# KiCad board Zynq_SoM.kicad_pcb (continued)
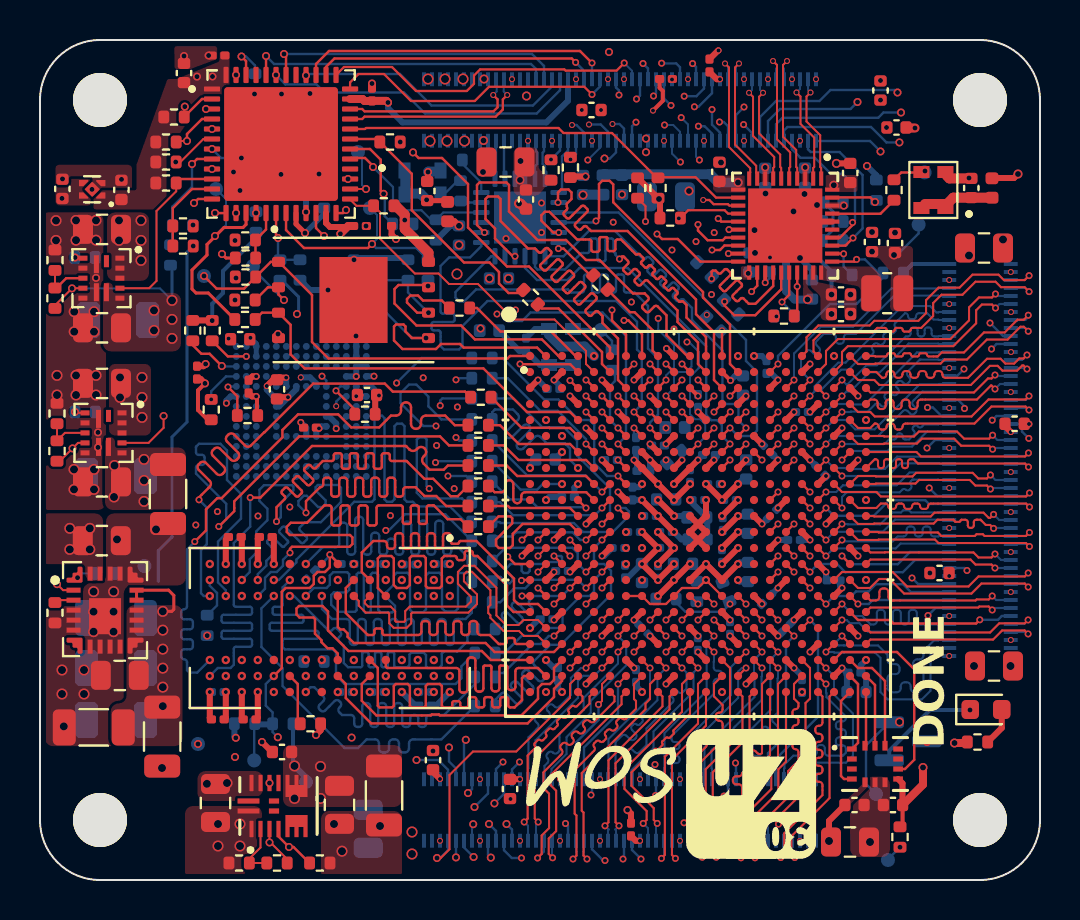
[diagram p0: board, top side]
## Nets (continued)
IO_L12_MRCC_N_35: J3.16 U2.C19
IO_L12_MRCC_P_13: J2.49 U2.Y9
IO_L12_MRCC_P_33: J2.90 U2.Y18
IO_L12_MRCC_P_34: J3.46 U2.L18
IO_L12_MRCC_P_35: J3.14 U2.D18
IO_L13_MRCC_N_13: J2.27 U2.Y5
IO_L13_MRCC_N_34: J3.64 U2.M20
IO_L13_MRCC_N_35: J3.11 U2.B20
IO_L13_MRCC_P_13: J2.29 U2.Y6
IO_L13_MRCC_P_34: J3.66 U2.M19
IO_L13_MRCC_P_35: J3.9 U2.B19
IO_L14_N_SRCC_13: J2.39 U2.AA6
IO_L14_P_SRCC_13: J2.41 U2.AA7
IO_L14_SRCC_N_33: J2.83 U2.Y16
IO_L14_SRCC_N_34: J3.70 U2.N20
IO_L14_SRCC_N_35: J3.20 U2.C20
IO_L14_SRCC_P_33: J2.81 U2.W16
IO_L14_SRCC_P_34: J3.72 U2.N19
IO_L14_SRCC_P_35: J3.22 U2.D20
IO_L15_DQS_N_34: J3.69 U2.M22
IO_L15_DQS_N_35: J3.15 U2.A22
IO_L15_DQS_P_34: J3.71 U2.M21
IO_L15_DQS_P_35: J3.17 U2.A21
IO_L15_N_33: J2.54 U2.U16
IO_L15_P_13: J2.9 U2.AB2
IO_L15_P_33: J2.77 U2.V15
IO_L16_N_13: J2.28 U2.AB4
IO_L16_N_33: J2.87 U2.V17
IO_L16_N_34: J3.77 U2.P22
IO_L16_N_35: J3.29 U2.C22
IO_L16_P_13: J2.30 U2.AB5
IO_L16_P_34: J3.75 U2.N22
IO_L16_P_35: J3.31 U2.D22
IO_L17_N_13: J2.32 U2.AB6
IO_L17_N_33: J2.84 U2.AB17
IO_L17_N_34: J3.81 U2.R21
IO_L17_N_35: J3.35 U2.D21
IO_L17_P_13: J2.34 U2.AB7
IO_L17_P_33: J2.82 U2.AA17
IO_L17_P_34: J3.79 U2.R20
IO_L17_P_35: J3.37 U2.E21
IO_L18_N_13: J2.8 U2.AA4
IO_L18_N_33: J2.80 U2.AB16
IO_L18_N_34: J3.74 U2.P21
IO_L18_N_35: J3.25 U2.B22
IO_L18_P_13: J2.11 U2.Y4
IO_L18_P_33: J2.78 U2.AA16
IO_L18_P_35: J3.27 U2.B21
IO_L19_N_VREF_35: J3.52 U2.H20
IO_L19_P_13: J2.12 U2.R6
IO_L19_P_33: J2.22 U2.V14
IO_L19_P_35: J3.50 U2.H19
IO_L19_VREF_N_33: J2.52 U2.U15
IO_L20_N_33: J2.44 U2.W13
IO_L20_N_34: J3.76 U2.P18
IO_L20_N_35: J3.32 U2.F19
IO_L20_P_33: J2.59 U2.V13
IO_L20_P_34: J3.30 U2.P17
IO_L20_P_35: J3.34 U2.G19
IO_L21_DQS_N_33: J2.73 U2.Y15
IO_L21_DQS_N_35: J3.26 U2.E20
IO_L21_DQS_P_33: J2.71 U2.W15
IO_L21_DQS_P_35: J3.24 U2.E19
IO_L21_P_13: J2.13 U2.V5
IO_L22_N_33: J2.69 U2.AA14
IO_L22_N_34: J3.84 U2.T19
IO_L22_N_35: J3.44 U2.G21
IO_L22_P_13: J2.19 U2.U6
IO_L22_P_33: J2.67 U2.Y14
IO_L22_P_35: J3.42 U2.G20
IO_L23_N_13: J2.31 U2.W7
IO_L23_N_33: J2.68 U2.AA13
IO_L23_N_35: J3.45 U2.F22
IO_L23_P_13: J2.33 U2.V7
IO_L23_P_33: J2.70 U2.Y13
IO_L23_P_34: J3.88 U2.R18
IO_L23_P_35: J3.47 U2.F21
IO_L24_N_13: J2.7 U2.W5
IO_L24_N_33: J2.74 U2.AB15
IO_L24_N_34: J3.21 U2.R16
IO_L24_N_35: J3.49 U2.G22
IO_L24_P_13: J2.10 U2.W6
IO_L24_P_33: J2.72 U2.AB14
IO_L24_P_34: J3.82 U2.P16
IO_L24_P_35: J3.51 U2.H22
QSPI_CLK: R13.1 R95.1 TP11.1 U11.6
QSPI_CLK_T/BM4: R95.2 U2.A4
QSPI_D0/BM3: R76.1 TP7.1 U2.A2 U11.5
QSPI_D1/BM1: R77.1 TP8.1 U2.F6 U11.2
QSPI_D2/BM2: R1.2 U2.E4 U11.3
QSPI_D3/BM0: R6.2 U2.A3 U11.7
QSPI_~{CS}: R44.2 TP6.1 U2.A1 U11.1
SDIO_CLK: J1.67 U2.E14
SDIO_CMD: J1.69 U2.C8
SDIO_D0: J1.65 U2.D8
SDIO_D1: J1.61 U2.B11
SDIO_D2: J1.73 U2.E13
SDIO_D3: J1.71 U2.B9
SENSE_1V0: R78.2 R79.1 U9.11
SENSE_1V8: R80.2 R81.1 U9.18
SENSE_1V35: R84.2 R85.1 U9.17
SENSE_3V3: R82.2 R83.1 U9.8
STM32_BOOT0: J1.57 R4.1 U9.46
STM32_DAC1: J1.49 U9.12
STM32_DAC2: J1.55 U9.13
STM32_GPIO1: J1.33 U9.40
STM32_GPIO2: J1.35 U9.43
STM32_GPIO3: J1.43 U9.39
STM32_GPIO4: J1.41 U9.38
STM32_GPIO5: J1.53 U9.37
STM32_GPIO6: J1.45 U9.36
STM32_GPIO7: J1.59 U9.22
STM32_GPIO8: J1.54 U9.24
STM32_NRST: C13.1 J1.47 R3.2 U9.7
STM32_SCL: R86.2 R96.1 U9.31
STM32_SDA: R87.2 U2.E6 U9.30
STM32_USB_CC1: J1.29 U9.44
STM32_USB_CC2: J1.31 U9.42
STM32_USB_D_N: J1.21 U9.33
STM32_USB_D_P: J1.19 U9.34
USB_D+: J1.32 U5.6
USB_D-: J1.30 U5.5
USB_ID: J1.20 U5.1
USB_PHY_RST: R5.2 U5.22 U9.29
USB_ULPI_CLKOUT: R22.2 U2.A9
USB_ULPI_DATA0: U2.C7 U5.16
USB_ULPI_DATA1: U2.G13 U5.15
USB_ULPI_DATA2: U2.B12 U5.14
USB_ULPI_DATA3: U2.F14 U5.13
USB_ULPI_DATA4: U2.A12 U5.11
USB_ULPI_DATA5: U2.B14 U5.10
USB_ULPI_DATA6: U2.F13 U5.9
USB_ULPI_DATA7: U2.C13 U5.8
USB_ULPI_DIR: U2.E8 U5.19
USB_ULPI_NXT: U2.F9 U5.18
USB_ULPI_STP: U2.A11 U5.20
USB_VBUS: J1.22 U5.2
ZYNQ_BMODE_0: R6.1 TP10.1 U9.19
ZYNQ_BMODE_2: R1.1 TP9.1 U9.15
ZYNQ_PL_DONE: Q3.2 TP3.1 U2.T12
ZYNQ_PL_INITB: R99.2 TP2.1 U2.T14
ZYNQ_PL_PROGB: R98.2 TP1.1 U2.T11 U9.14
ZYNQ_PS_MIO0: J1.50 U2.G6
ZYNQ_PS_MIO7/VM0: J1.40 R75.2 U2.D5
ZYNQ_PS_MIO8\VM1: J1.36 R74.1 U2.E5
ZYNQ_PS_MIO9: J1.52 U2.C4
ZYNQ_PS_MIO10: J1.42 U2.G7
ZYNQ_PS_MIO11: J1.48 U2.B4
ZYNQ_PS_MIO12: J1.46 U2.C5
ZYNQ_PS_MIO13: U2.A6 U9.27
ZYNQ_PS_POR: R100.2 U2.B5 U9.25
ZYNQ_PS_SRST: R94.2 TP5.1 U2.C9 U9.26
ZYNQ_TCK: J1.64 U2.G11
ZYNQ_TDI: J1.70 U2.H13
ZYNQ_TDO: J1.68 U2.G14
ZYNQ_TMS: J1.66 U2.G12
Net-(U3-RSET): R16.1 U3.39
Net-(U4-FB): R23.1 R26.2 U4.5
Net-(U6-FB): R33.2 R34.1 U6.5
Net-(U9-VDDA): C32.1 C137.1 L5.2 U9.21
Net-(U9-VREF+): C139.1 U9.20
Net-(U10-FB): R37.2 R38.1 U10.2

Pads without a net: U1 J1 J9 L1 L9 M7; U2 A16 A17 AB1 B1 B2 B15 C2 C3 C15 D1 D2 D3 D15 D16 E1 E3 E15 F1 F2 G1 G2 G10 H2 H3 H15 H18 J1 J2 J15 J16 J17 K1 K3 K15 L1 L2 L3 L16 L17 M15 N15 P15 P20 R7 R15 R19 T4 T6 T16 T17 T18 U4 U5 U17 U19 V4 V19 W17 W18; U3 35; U4 1; U6 1; U7 A1 A2 A7 A8 A9 A10 A11 A12 A13 A14 B1 B3 B4 B5 B6 B7 B8 B9 B10 B11 B12 B13 B14 C3 C5 C7 C8 C9 C10 C11 C12 C13 C14 D1 D2 D3 D4 D12 D13 D14 E1 E2 E3 E5 E8 E9 E10 E12 E13 E14 F1 F2 F3 F10 F12 F13 F14 G1 G2 G3 G10 G12 G13 G14 H1 H2 H3 H5 H12 H13 H14 J1 J2 J3 J12 J13 J14 K1 K2 K3 K6 K7 K10 K12 K13 K14 L1 L2 L3 L12 L13 L14 M1 M2 M3 M7 M8 M9 M10 M11 M12 M13 M14 N7 N8 N9 N10 N11 N12 N13 N14 P1 P2 P7 P8 P9 P10 P11 P12 P13 P14; U8 7; U9 28 41 45; U10 5 11 15 17 18; U14 2 3 10 11

## Via types
v1: diameter 0.35, hole 0.2, L1 (Sig) to L8 (Sig), 587 vias
v2: diameter 0.3, hole 0.2, L1 (Sig) to L8 (Sig), 85 vias
v3: diameter 0.55, hole 0.4, L1 (Sig) to L8 (Sig), 92 vias
v4: diameter 0.4, hole 0.25, L1 (Sig) to L8 (Sig), 138 vias
v5: diameter 0.45, hole 0.3, L1 (Sig) to L8 (Sig), 36 vias
v6: diameter 0.4, hole 0.3, L1 (Sig) to L8 (Sig), 3 vias

## Routing (per net, layer and track width the routed paths; a pad name or vN(x,y) marks a point on that pad's centre or on a via; arc(x,y) is an arc through that point)
1V0_EN: length 27
  L6 (Sig+Pwr) w0.1: v4(1.88,15.12) 2,15.24 2,18.57 2.21,18.78 2.21,22.64 3.4,23.83 3.4,26.02 3.9,26.52 3.9,30.95 4.5,31.55 4.5,33.99 6.17,35.66 6.17,36.67 6.95,37.45 8.5,37.45 v4(8.6,37.55)
  L8 (Sig) w0.1: v4(1.88,15.12) 2.09,15.33 R27.1
1V0_PG: length 31.5
  L1 (Sig) w0.1: R28.2 7.21,38.64 v4(7.24,38.67) ; v4(0.85,14.79) 1.15,14.49 U8.2
  L1 (Sig) w0.12: R28.2 7.21,38.16 8.1,39.05 U9.2
  L6 (Sig+Pwr) w0.1: v4(0.85,14.79) 0.86,14.8 0.86,23.17 1.3,23.61 1.3,26.37 0.9,26.77 0.9,31.08 1.3,31.48 1.3,33.41 1.85,33.95 1.85,35.45 3.09,36.69 3.54,36.69 5.7,38.85 7.06,38.85 v4(7.24,38.67)
1V8_EN: length 21.7
  L1 (Sig) w0.1: v4(1.75,23.41) 1.8,23.36 U4.3
  L6 (Sig+Pwr) w0.1: v4(9.8,40.25) 9.8,39.4 8.23,37.83 6.46,37.83 4.88,36.25 4.88,35.24 3.35,33.71 3.35,27.08 2.3,26.03 2.3,23.95 v4(1.75,23.41)
  L8 (Sig) w0.12: R30.1 v4(1.75,23.41)
1V8_PG: length 22
  L1 (Sig) w0.1: U4.11 5.42,21.86 6.18,22.61 v4(6.18,23.2) ; v4(7.35,36.95) 6.86,36.95 R29.2
  L1 (Sig) w0.12: U9.4 8.1,38.05 7.35,37.3 v4(7.35,36.95)
  L6 (Sig+Pwr) w0.1: 6.2,23.15 6.99,23.94 6.99,26.24 7.15,26.4 7.15,33.94 7.76,34.55 8.42,34.55 9.15,35.28 9.15,35.8 8.9,36.05 8.25,36.05 v4(7.35,36.95)
1V35_EN: length 44.9
  L1 (Sig) w0.12: U10.4 11.93,2.17 v4(12.45,1.65) 12.67,1.65 13.47,0.85 R35.1
  L6 (Sig+Pwr) w0.12: v4(8.6,35.55) 8.15,35.1 7.67,35.1 6.25,33.68 6.25,30.11 5.05,28.91 5.05,27.05 5.68,26.42 5.68,22.53 4.52,21.37 4.52,8.11 7.11,5.51 11.8,5.51 12.05,5.26 12.05,2.05 v4(12.45,1.65)
1V35_PG: length 41.9
  L1 (Sig) w0.1: 7.02,35.9 8.17,37.05 U9.6
  L6 (Sig+Pwr) w0.1: v4(11.48,4.85) 10.88,4.25 6.16,4.25 3.2,7.21 3.2,21.18 4.55,22.53 4.55,29.44 5.7,30.59 5.7,34.35 6.8,35.45 6.8,35.8
  vias: v4(6.79,35.9)
3V3_EN: length 11.8
  L1 (Sig) w0.12: v4(1.75,31.12) 1.78,31.09 U6.3
  L6 (Sig+Pwr) w0.1: v4(1.75,31.12) 1.75,31.13 2.3,31.68 2.3,33.55 3.5,34.75 3.5,35.81 5.89,38.2 7.95,38.2 v4(8.3,38.55)
3V3_PG: length 8.8
  L1 (Sig) w0.1: 4,29.59 5.46,29.59 5.83,29.95 5.83,33.45 6.81,34.44 6.81,34.58 ; 6.81,35.03 7.02,35.03
  L1 (Sig) w0.12: U9.10 7.01,35.05
+0V675_REF: length 47.3
  L1 (Sig) w0.12: U2.H7 v1(28.9,21) ; v1(14.49,16.27) 14.49,16.26 14.89,15.86 U1.H1 ; v1(14.49,16.27) 14.49,15.64 14.25,15.4 13.88,15.4 13.69,15.21 13.69,14.8 13.49,14.6 12.28,14.6 12.09,14.41 12.09,10.6 v1(11.69,10.2) ; v1(14.49,16.27) 14.51,16.25
  L6 (Sig+Pwr) w0.12: v1(28.9,21) 29.26,20.64 29.26,18.13 28.9,17.78 28.9,16.2 v1(29.3,15.8) 28.46,14.96 27.15,14.96 26.9,14.71 26.9,9.55 25.32,7.97 15.47,7.97 14.25,6.75 12.26,6.75 11.89,7.12 v4(11.89,7.14)
  L8 (Sig) w0.12: R89.1 10.71,7.79 TP16.1 ; v4(11.89,7.14) 11.63,7.4 11.63,8.38 11.29,8.72 11.29,9.8 v1(11.69,10.2) ; C124.1 14.96,15.8 v1(14.49,16.27) 14.49,16.22 C113.2 ; v1(28.9,21) C126.1
  L8 (Sig) w0.3: R89.1 10.78,7.78 11.36,7.78
+1V0: length 31.6
  L1 (Sig) w0.15: U8.16 U8.17 6.43,14.49 6.69,14.23 6.69,13.53 6.59,13.43 v3(6.14,13.43)
  L1 (Sig) w0.3: v1(33.3,19.8) v1(34.1,19) v1(34.9,19.8) ; v1(31.7,19.8) U2.H11 v1(32.9,21) ; v1(34.1,17.4) v1(34.9,18.2) ; v1(34.1,15.8) v1(34.9,16.6) ; U2.H9 U2.G8
  L8 (Sig) w0.15: 5.91,14.94 5.91,16.46 6.6,17.15 6.6,22.15 7.35,22.9 7.35,31.39 v4(7.66,31.7)
  L8 (Sig) w0.3: C66.1 35.3,18.2 v1(34.9,18.2) ; C45.1 34.98,14.92 v1(34.9,15) ; v1(30.1,19.8) 29.94,19.64 C47.1 ; v1(32.9,21) 32.9,21.02 C61.1 ; C52.1 35.15,20.05 v1(34.9,19.8) ; C46.1 30.5,20.46 v1(30.5,21)
  vias: v1(30.1,18.2) v1(30.1,16.6) v1(30.1,15) v3(6.14,12.49) v3(6.14,11.54) v3(6.14,10.59) v3(6.14,9.64) v3(6.14,8.69)
+1V8: length 36.2
  L1 (Sig) w0.1: R26.1 0.98,20.94 v4(1.62,21.58) 1.9,21.86 U4.6
  L1 (Sig) w0.2: C108.1 30.98,39.61 31.14,39.45 31.14,38.96 v2(30.65,38.47) ; v1(10.81,24.18) 10.85,24.14 10.85,23.26 R42.1 ; v1(34.53,24.97) U2.B13 ; R41.1 8.39,23.01 7.9,23.5 7.9,24.48 v4(8.25,24.83)
  L1 (Sig) w0.3: v1(16.95,24.22) 16.76,24.03 R39.1 ; U2.E12 v1(32.9,23.4) ; v1(32.5,15.8) v1(31.7,15) v1(30.9,14.2) ; R14.1 31,33.99 R90.1 R94.1 ; v1(30.9,15.8) v1(31.7,16.6) v1(30.9,17.4) ; C33.1 10.6,24.18 v1(10.81,24.18) ; C107.1 33.91,41.47 v2(33.93,41.47) ; U2.A10 v1(31.32,26.58) ; v5(48.9,35.3) 48.7,35.1 47.62,35.1 L6.2 ; C112.1 8.03,25.05 v4(8.25,24.83) ; L8.2 20.72,32.94 v5(20.95,32.71) ; R40.1 R43.1 ; v1(30.9,19) v1(31.7,18.2) ; U2.D9 v1(30.5,24.2) ; U2.G9 v1(30.5,21.8)
  L8 (Sig) w0.15: v4(12.85,28.3) 12.93,28.38 12.93,29.16 12.09,29.99 R80.1
  L8 (Sig) w0.2: v4(8.61,27.97) 8.61,28.81 9.15,29.35 9.15,30.45 10.8,32.1 R97.1
  L8 (Sig) w0.3: v1(31.7,18.2) 32.29,18.2 L9.2 ; U7.M4 v1(15.81,25.18) 15.81,25.18 U7.N3 U7.P3 ; U7.P5 16.56,24.68 16.95,24.29 v1(16.95,24.22) ; v1(34.53,24.97) 34.75,25.2 C97.1 ; R5.1 20.52,32.71 v5(20.95,32.71)
  vias: v1(31.3,22.6) v2(33.34,28.26) v3(3.72,20.72) v3(3.7,19.15) v3(5.2,21.03) v3(5.2,19.98) v3(5.2,18.93) v3(20.85,30.3) v4(30.3,37.07) v4(30.3,36.39) v5(23.43,30.08) v5(30.95,34.05)
+1V35: length 48.2
  L1 (Sig) w0.1: U10.3 v4(11.48,1.88) 11.52,1.88 12.36,1.04 R37.1
  L1 (Sig) w0.15: v4(9.1,31.3) 9.3,31.1 R84.1
  L1 (Sig) w0.3: C122.1 9.29,17.02 v1(9.29,15.8) ; v1(9.29,9.4) 9.29,8.11 C121.1 ; U2.F5 v1(27.3,22.6) ; C114.1 10.89,17.07 v1(10.89,15.8) ; U2.R2 v1(25.7,15.4) ; v1(25.7,17) U2.M3 ; v1(28.1,16.2) U2.N6 ; C120.1 10.89,8.12 v1(10.89,9.4) ; U2.K7 v1(28.9,19.4)
  L4 (Sig+Pwr) w0.15: 9.26,15.8 v1(9.29,15.8)
  L6 (Sig+Pwr) w0.15: v4(9.1,31.3) 9.1,29.5 7.65,28.05 7.65,22.78 5.9,21.03 5.9,18.53 5.25,17.88 5.25,8.53 7.78,6 9.6,6 v4(9.75,6.15)
  L8 (Sig) w0.2: R88.1 12.65,5.78 v3(12.73,5.7)
  L8 (Sig) w0.3: v1(24.5,20.6) 24.5,20.73 C95.1 ; v1(18.09,9.4) 18.76,8.73 C118.1 ; R47.1 28.2,16.2 v1(28.1,16.2) ; C99.1 24.94,13.04 v1(24.5,12.6) ; v3(12.73,5.7) 13.3,5.13 TP15.1 ; C101.1 26.72,19.62 v1(26.9,19.8)
  vias: v1(13.29,15) v1(13.29,10.2) v1(14.89,15) v1(14.89,9.4) v1(15.69,11) v1(16.49,15.8) v1(17.29,9.4) v1(18.09,15) v1(18.89,15.8) v1(18.89,9.4) v1(19.69,15) v1(20.49,15.8) v1(20.49,10.2) v1(25.3,23) v3(12.73,4.08) v3(14.03,5.68) v3(14.03,4.08)
+3V3: length 92.4
  L1 (Sig) w0.1: R33.1 0.75,28.73 v4(1.6,29.58) 1.61,29.59 U6.6
  L1 (Sig) w0.11: U2.T7 U2.T8 30.5,13.8 31.3,13.8 U2.T10 32.1,14.6 32.9,14.6 v1(33.3,15) U2.T13
  L1 (Sig) w0.2: C21.1 43.13,2.79 R99.1
  L1 (Sig) w0.3: v2(12.31,25.12) 11.96,25.12 C34.1 11.65,25.01 v2(11.34,24.7) ; v1(28.1,25) U2.C6 ; 24.01,34.99 v5(24,35) ; v2(27.09,38.5) C71.1 ; U14.8 43.12,4.83 43.12,3.75 C21.1 ; U2.B3 v1(25.7,25)
  L1 (Sig) w0.4: R91.1 46.31,6.85 v5(45.72,6.85) ; C21.1 44.15,4.77 v5(44.15,5.62)
  L1 (Sig) w0.5: R100.1 17.79,33.71 18.24,33.26 v4(18.24,33) 18.24,32.55 19.42,31.36 U11.8
  L3 (Pwr) w0.5: v4(18.01,36.9) 17.67,36.56 17.67,36.1
  L4 (Sig+Pwr) w0.2: 36.2,22.4 36.13,22.4 35.7,21.97 35.7,20.6
  L4 (Sig+Pwr) w0.4: 36.21,14.4 36.76,13.85 38.45,13.85 39.2,13.1 39.2,12.3 42.3,9.2 44.1,9.2 45.72,7.58 v5(45.72,6.85) 45.72,6.78 44.57,5.62 v5(44.15,5.62)
  L4 (Sig+Pwr) w0.5: v1(33.3,15) 33.3,14.8 33.7,14.4 36.21,14.4 35.5,15.11 35.5,20.38 35.62,20.5 ; 36.2,22.4 36.2,25.15 36.25,25.2 36.25,25.97 37.62,27.35 38.65,27.35 39.57,28.28 v6(39.57,28.3) 39.57,30.58 38.05,32.1 37.47,32.1 35.57,34 35.57,35.6 34.57,36.6 34.57,38.59 33.45,39.72 33.45,40.98 32.98,41.45 28.5,41.45 v4(28.45,41.4) 28.5,41.4
  L8 (Sig) w0.1: v3(6.6,28.98) 6,29.58 v4(1.6,29.58)
  L8 (Sig) w0.15: v3(6.6,28.98) 6.6,30.67 R82.1
  L8 (Sig) w0.2: v6(39.57,29.28) 39.57,30.23 R18.1 39.59,30.41 38.57,31.42 38.57,32.61 38.9,32.92 R19.1
  L8 (Sig) w0.3: v1(33.3,15) 32.9,15 R98.1 ; U7.J10 13.81,22.44 v1(13.95,22.58) 14.05,22.68 U7.K9 ; U7.F5 12.31,25.12 v2(12.31,25.12) ; v4(22.03,27.58) 21.99,27.53 21.99,27.47 ; U7.E6 11.68,24.18 11.34,24.52 v2(11.34,24.7) ; v1(25.7,25) 26,24.7 C76.1 ; R87.1 18.44,32.8 v4(18.24,33)
  L8 (Sig) w0.5: L3.1 27.16,34.27 v5(27.15,34.25)
  vias: v3(5.7,28.48) v3(5.7,27.48) v3(6.6,28.03) v3(6.6,27.08) v4(9.8,30.1) v5(24.03,35.95) v5(24.32,39.2)
+3V3_SC: length 15.9
  L1 (Sig) w0.3: C37.1 15.63,32.65 14.5,32.65 14.3,32.85 U9.23
  L1 (Sig) w0.35: 16.59,38.95 C35.1
  L1 (Sig) w0.4: C37.1 15.41,32.7 v4(15.02,32.31) ; U9.35 16.12,39.05 16.22,38.95 16.59,38.95 ; C35.1 17.32,38.95 v4(17.4,38.88)
  L8 (Sig) w0.2: J1.37 26.4,39.56
  L8 (Sig) w0.3: v4(17.4,38.88) 17.4,38.6 18.12,37.88 25.32,37.88 26.4,38.96 26.4,39.56
  vias: v4(7.85,40.17) v4(8.62,40.17)
+VCCO_13: length 7.2
  L1 (Sig) w0.12: v1(27.3,13.8) U2.T5 ; U2.W4 v1(26.5,11.4)
  L1 (Sig) w0.3: U2.U8 v1(29.7,13) ; U2.Y7 v1(29.7,10.6) ; U2.V11 v1(32.9,12.2) ; U2.AA10 v1(31.3,9.8)
  L4 (Sig+Pwr) w0.4: v1(29.7,13) 28.9,13.8 v1(27.3,13.8)
  L8 (Sig) w0.3: C132.1 25.9,9.59 26.09,9.4 v1(26.1,9.4) ; v1(29.7,13) C130.1
  vias: v2(23.53,4.05) v3(18.6,2.4) v3(18.6,1.3) v4(19.65,6.45)
+VCCO_33: length 7.7
  L1 (Sig) w0.3: U2.U18 v1(37.7,13) ; U2.W14 v1(34.5,12.2) ; U2.AA20 v1(40.1,10.6) ; U2.V21 v1(40.9,12.2) ; v3(39.45,1.95) 39.45,2.96 C88.1 ; U2.Y17 v1(37.7,10.6) ; v4(29.38,3.5) 29.55,3.32 C100.1
  L8 (Sig) w0.3: v1(37.7,10.6) 38.1,10.2 C91.1 ; v1(40.1,10.6) 40.34,10.36 C87.1
  vias: v1(34.1,9.4)
+VCCO_34: length 3.8
  L1 (Sig) w0.3: U2.L20 v1(39.3,17.8) ; U2.K17 v1(36.9,18.6) ; U2.P19 v1(39.3,15.4) ; U2.N16 v1(36.9,17) ; U2.T15 v1(36.1,13.8)
  L8 (Sig) w0.3: v1(36.9,18.6) 36.9,18.59 ; v1(36.9,17) C83.1 ; v1(39.3,15.4) 39.3,15.04 C82.1
  vias: v1(41.3,15) v1(49.45,22.8) v3(48.53,10.7) v4(44.5,15.35)
+VCCO_35: length 6.5
  L1 (Sig) w0.3: U2.H21 v1(40.9,21) ; U2.C16 v1(36.9,25) ; U2.D19 v1(38.5,23.4) ; U2.F15 v1(36.1,21.8) ; U2.G18 v1(38.5,21)
  L8 (Sig) w0.2: R15.1 43.62,30.8 J3.2
  L8 (Sig) w0.3: C69.1 36.57,25.33 v1(36.9,25) ; v1(38.5,21) 38.82,20.68 C72.1
  vias: v1(39.7,26.2) v1(41.3,23) v3(46.45,31.22) v4(42.03,39) v4(42.32,37.62)
/Ethernet PHY/1V0_ETH: length 2.1
  L8 (Sig) w0.12: v5(42.7,31.25) 42.85,31.25 43.93,32.33 TP13.1
  vias: v4(35.41,30.33) v4(36.26,35.63) v4(38.26,35.63) v4(40.19,33.72) v5(41.6,31.42)
/Ethernet PHY/1V8A_ETH: length 5.4
  L8 (Sig) w0.2: 37.66,32.49 C10.1
  L8 (Sig) w0.4: C10.1 37.68,31.89 37.3,31.51 37.3,29.45 37.72,29.03 v5(38.38,29.03)
  L8 (Sig) w0.5: L2.1 37.66,32.49
/Ethernet PHY/3V3A_ETH: length 7
  L6 (Sig+Pwr) w0.3: v5(34.9,34.88) 34.91,34.88
  L8 (Sig) w0.5: v5(34.9,34.88) 33.91,34.88 33.5,35.29 28.21,35.29 L3.2
  vias: v5(39.69,34.74)
/Zynq Power/VCCADC: length 2.3
  L8 (Sig) w0.3: v1(32.5,19) 32.5,18.96 33.36,18.1 C103.1
/Zynq Power/VCCPLL: length 0.6
  L1 (Sig) w0.3: U2.H10 v1(32.1,21)
GND: length 100.1
  L1 (Sig) w0.2: R75.1 26.53,35.12 ; v1(32.9,24.2) U2.C11
  L1 (Sig) w0.25: 24.5,16.65 U2.N1
  L1 (Sig) w0.3: U2.U13 v1(34.5,13) ; v4(11.1,6.9) 11.6,6.4 C123.2 ; v4(19.4,35.4) 19.4,34.97 C142.2 ; v1(34.1,18.2) v1(34.9,19) ; U2.N11 U2.M12 U2.L11 ; R45.2 14.03,7.48 v4(13.8,7.25) ; C100.2 29.79,1.96 v2(30,1.96) ; U2.D4 v1(26.5,24.2) ; v1(34.9,15.8) U2.R13 v1(33.3,15.8) U2.R11 ; v1(32.5,19.8) v1(31.7,19) U2.H8 v1(29.7,21) ; C128.2 19.65,5.4 v2(20,5.05) ; v1(10.09,9.4) 10.09,8.1 C120.2 ; v2(48.54,22.4) 48.25,22.69 C79.2 ; v1(40.9,24.2) U2.C21 ; U2.H6 v1(28.1,21) ; U2.AA15 v1(35.3,9.8) ; C33.2 10.62,25.18 v1(10.81,25.18) ; U2.E17 v1(37.7,23.4) ; v1(38.5,17) U2.M18 ; v1(10.09,15.8) 10.09,17.12 C122.2 ; v1(11.69,15.8) 11.69,17.07 C114.2 ; v1(35.3,21) U2.H14 ; v1(34.1,16.6) v1(34.9,17.4) ; 16.03,24.25 15.97,24.19 v1(15.81,24.19) ; C129.2 23.51,5.04 v2(24,5.04) ; v1(9.43,27.07) 9.5,27.07 C40.2 ; v4(8.28,25.8) 8.17,25.69 C112.2 ; U2.R17 v1(36.9,14.6) ; v1(24.1,16.2) U2.N1 ; U2.N12 U2.M11 U2.L12 v1(33.3,19) ; U2.F10 v1(31.3,21.8) ; C121.2 8.49,8.11 v1(8.49,9.4) ; U2.V6 v1(28.1,12.2) ; U2.P4 v1(26.5,15.4) ; C107.2 33.84,40.04 v2(34,40.04) ; U2.V16 v1(36.9,12.2) ; v4(17.8,32.05) 17.58,32.27 C41.2 ; v1(30.1,17.4) v1(30.9,16.6) v1(30.1,15.8) v1(30.9,15) v1(31.7,15.8) ; U2.L5 v1(27.3,17.8) ; U2.D14 v1(35.3,24.2) ; U2.F20 v1(40.1,22.6) ; U3.41 37.46,32.92 U3.36 ; U2.E7 v1(28.9,23.4) ; v5(39.82,35.83) C18.2 ; U2.AA5 v1(27.3,9.8) ; 43.33,37.6 C78.2 ; U2.B18 v1(38.5,25.8) ; U2.J19 v1(39.3,20.2) ; R75.1 26.57,35.17 v4(27.28,35.17) ; U2.Y12 v1(32.9,11.4) ; U2.L15 v1(36.1,17.8) ; U2.W19 v1(38.5,11.4) ; U2.W9 v1(30.5,12.2) ; U2.H16 v1(36.9,21) ; v1(30.1,19) v1(30.9,18.2) v1(31.7,17.4) ; U2.C1 v1(24.9,25) ; U2.B8 v1(29.7,25) ; U2.U3 v1(25.7,13) ; U2.N21 v1(40.9,16.2) ; v1(33.7,21) U2.H12 ; U2.T20 v1(40.1,14.6) ; v1(12.4,24.14) 11.94,24.14 C34.2
  L1 (Sig) w0.45: v4(43.75,37.6) 43.33,37.6
  L1 (Sig) w0.5: C22.2 45.47,35.08 45.35,35.2 ; C141.2 24.02,33.83 v5(23.95,33.83)
  L8 (Sig) w0.15: R17.2 39.65,32.51 39.65,33.42 C16.2
  L8 (Sig) w0.3: v1(26.1,21.4) 25.75,21.06 C95.2 ; U7.H10 13.31,22.61 v1(13.04,22.88) ; R13.2 18.31,31.1 15.79,31.1 v4(15.7,31.01) ; v1(40.1,14.6) 40,14.7 C82.2 ; C57.2 29.37,15.11 C125.2 ; v1(30.1,9.4) 29.8,9.7 C133.2 ; v1(36.1,17.8) C84.2 ; C66.2 35.32,17.4 v1(34.9,17.4) ; v1(33.3,15.8) 34.13,14.97 R93.2 ; U7.A6 9.53,24.18 9.32,23.97 v1(9.32,23.84) ; v1(36.9,14.6) C85.2 ; C103.2 32.07,17.03 v1(31.7,17.4) ; C45.2 34.98,15.88 v1(34.9,15.8) ; R81.2 13.01,29.99 13.5,29.5 v4(14.4,29.5) ; U7.P4 16.32,25.19 v1(16.7,25.19) ; v4(9.79,7.11) 9.72,7.18 R89.2 ; 38.6,30 38.6,30.5 v6(38,31.1) ; v1(24.9,25) 25.35,24.55 C76.2 ; U7.N2 15.81,27.19 v4(15.8,27.2) ; v4(13.95,35.3) 14.2,35.05 C139.2 ; U7.E7 11.95,23.68 12.4,24.13 v1(12.4,24.14) 12.41,24.14 12.81,24.54 U7.G5 ; C132.2 25.68,10.62 v1(25.3,11) ; v1(36.9,21) C81.2 ; C94.2 29.8,21.05 29.75,21 v1(29.7,21) 29.85,20.85 C46.2 ; v1(25.3,19) 25.45,19.15 C101.2 ; v1(20.49,9.4) 19.81,8.73 C118.2 ; C137.2 12.75,35.28 12.06,35.28 v4(12.05,35.28) ; v1(35.7,26.2) 36.09,26.2 C69.2 ; X3.2 24.75,27.55 C23.2 ; U7.N5 15.81,24.19 v1(15.81,24.19) ; v4(41.35,35.7) 41.82,35.23 R16.2 ; U7.P6 U7.N6 ; v1(38.5,17) C83.2 ; C47.2 30.09,19 v1(30.1,19) ; v1(41.3,11) 41.04,10.74 C92.2 41.06,10.37 41.31,10.12 C87.2 ; v2(13.04,25.13) 13.04,25.13 13.5,25.13 13.81,24.82 U7.J5 ; v1(14.81,22.57) 14.81,22.82 14.45,23.18 U7.K8 ; v1(33.7,21) 33.77,21.07 C61.2 ; v1(36.9,12.2) C90.2
  L8 (Sig) w0.5: C127.2 16.41,3.29 v3(17,2.7) ; X3.2 25.45,27.28 26.05,26.67 27.22,26.67 v1(27.7,26.2) ; v4(19.4,35.4) 19.42,35.42 19.88,35.42
  vias: v1(7.79,17.75) v1(8.49,15.8) v1(8.87,18.42) v1(10.9,18.2) v1(11.69,9.4) v1(12.49,18.65) v1(14.09,15) v1(14.09,10.2) v1(15.69,15.8) v1(15.69,10.2) v1(15.69,9.4) v1(16.49,9.4) v1(17.29,15.8) v1(17.29,15) v1(17.29,10.2) v1(17.52,18.22) v1(18.09,15.8) v1(18.09,10.2) v1(19.16,25.11) v1(19.69,15.8) v1(19.69,14.2) v1(19.69,9.4) v1(19.83,21.72) v1(20.71,19.57) v1(20.87,23.65) v1(23.3,32.08) v1(25.07,33.85) v1(25.07,32.38) v1(28.66,32.89) v1(29.57,28.9) v1(30.9,19.8) v1(31.3,21) v1(31.6,31.5) v1(32.8,31.92) v1(33.57,29.28) v1(33.71,32.37) v1(34.1,19.8) v1(36.82,28.18) v1(38.1,9.4) v1(41.3,19) v2(20,1.96) v2(22,5.04) v2(22,1.96) v2(23.6,40.04) v2(24,1.96) v2(24.4,36.96) v2(25.6,36.96) v2(26,5.04) v2(26,1.96) v2(26.8,40.04) v2(27.6,36.96) v2(28,5.04) v2(28,1.96) v2(28.05,38.5) v2(29.2,40.04) v2(30,5.04) v2(31.2,36.96) v2(31.6,40.03) v2(32,5.04) v2(32,1.96) v2(33.2,36.96) v2(34,5.04) v2(34,1.96) v2(35.2,40.04) v2(35.2,36.96) v2(36,5.04) v2(36,1.96) v2(36.4,40.04) v2(36.5,31.12) v2(37.6,40.04) v2(38,36.96) v2(38,1.96) v2(38.2,5.03) v2(38.8,40.04) v2(45.46,30) v2(45.46,28.8) v2(45.46,27.6) v2(45.46,25.6) v2(45.46,23.6) v2(45.46,21.6) v2(45.46,19.6) v2(45.46,17.6) v2(45.46,15.2) v2(45.46,13.2) v2(45.46,11.2) v2(48.54,30.4) v2(48.54,24.4) v2(48.54,20.4) v2(48.54,18.4) v2(48.54,16.4) v2(48.54,14.4) v2(48.54,12) v2(48.55,28.4) v2(48.55,26.4) v3(0.8,32.97) v3(0.8,31.98) v3(0.85,25.23) v3(0.85,24.25) v3(1.1,10.5) v3(1.1,9.3) v3(1.19,7.68) v3(1.71,28.42) v3(1.71,27.42) v3(1.7,20.53) v3(1.7,19.53) v3(1.8,32.98) v3(1.8,31.99) v3(1.8,25.23) v3(1.8,24.25) v3(2.2,10.5) v3(2.2,9.3) v3(2.7,28.42) v3(2.7,27.42) v3(2.7,20.53) v3(2.7,19.53) v3(2.68,14.42) v3(2.68,13.42) v3(2.68,12.42) v3(2.8,32.98) v3(2.8,31.99) v3(2.8,25.23) v3(2.8,24.25) v3(3.68,14.42) v3(3.68,13.42) v3(3.68,12.42) v3(3.85,17.03) v3(5.8,17.53) v3(6.1,5.6) v3(8.9,2.8) v3(8.9,1.7) v3(10,2.8) v3(10,1.7) v3(14.7,2.8) v3(15.1,1.44) v3(41.5,1.9) v3(46.7,10.7) v3(48.15,32.03) v4(1.12,35.06) v4(2.6,34.53) v4(2.8,30.11) v4(2.9,22.38) v4(2.9,21.63) v4(4.08,35.03) v4(7.2,41.2) v4(7.65,32.75) v4(8.43,41.22) v4(8.36,12.22) v4(9.67,35.4) v4(9.75,31.97) v4(9.75,29) v4(10,34.47) v4(10.07,36.1) v4(10.72,39.3) v4(11.9,27.3) v4(12.08,39.3) v4(13.5,39.33) v4(16.3,32.7) v4(16.6,39.83) v4(29.1,34.28) v4(42.03,39.97) v4(46.45,35.1) v5(20.95,31.75) v5(22.2,40.05) v5(22.18,36.97) v5(22.15,35.4) v5(22.47,30.08) v5(32.45,34.45) v5(34.05,35.88) v5(35.72,32.5) v5(35.75,31.36) v5(36.28,34.33) v5(37.68,33.43) v5(38.22,34.3) v5(38.85,33.75) v5(40.53,29.28) v5(40.53,28.33) v5(41.6,32.4) v5(42.75,32.37) v5(44.35,6.92)
VBUS_OUT_EN: length 2.9
  L8 (Sig) w0.12: 26,34.44 U5.7 26.1,34.54 26.1,36.17 26.4,36.47 J1.38
VIN:
  vias: v3(1.49,17.58) v3(1.49,16.53) v3(2.49,17.58) v3(2.49,16.53) v3(3.95,32.98) v3(3.95,31.98) v3(4,25.13) v3(4,24.13) v3(5.05,32.98) v3(5.05,31.98) v3(5.05,30.98) v3(5.1,25.13) v3(5.1,24.13) v3(5.1,23.13) v3(8.34,4.81) v3(9.35,4.85) v3(19.4,40.05) v3(19.5,36.95) v3(20.25,40.05) v3(20.35,36.95) v3(21.15,40.05) v3(21.22,36.95) v4(1.1,34.08)
/eMMC/eMMC_VDDI: length 1
  L8 (Sig) w0.25: U7.C2 10.81,26.82 v1(10.52,27.11)
/Ethernet PHY/25MHz_1V8: length 3.5
  L1 (Sig) w0.5: 44.25,33.8 45.35,33.8 45.66,34.11 L6.1
/Ethernet PHY/CLK_25MHz: length 1.7
  L1 (Sig) w0.12: v4(44.25,35.45) 44.18,35.38 43.06,35.38 R20.1
/Ethernet PHY/ETH_CLK_25MHz: length 3.4
  L1 (Sig) w0.12: R20.2 42.02,33.31 39.62,33.31 U3.37
/Power/VSET: length 1
  L1 (Sig) w0.1: U8.3 0.87,13.99 R25.1
/USB HS PHY/13MHz_1V8: length 3.2
  L1 (Sig) w0.25: L8.1 20.31,33.97 C142.1 19.33,34 v4(19.33,34.01)
  L8 (Sig) w0.5: 18.26,35.2 18.26,34.32 19.02,34.32 v4(19.33,34.01)
/USB HS PHY/CLK_13MHz: length 1.4
  L8 (Sig) w0.12: R21.1 20.89,34.97 20.24,34.32 19.88,34.32
/USB HS PHY/RBIAS: length 2
  L8 (Sig) w0.12: U5.24 22.06,34.87 21.12,35.81 R24.2
/USB HS PHY/USB_REFCLK: length 1.1
  L8 (Sig) w0.12: R21.2 21.1,33.88 U5.23
/USB HS PHY/USB_ULPI_CLKOUT_T: length 2.6
  L1 (Sig) w0.12: v1(25.92,31.57) 26.18,31.57 27.51,30.24 R22.1
  L8 (Sig) w0.12: v1(25.92,31.57) 25.92,31.86 U5.12
/Zynq B500-B501/33MHz_3V3: length 4.4
  L8 (Sig) w0.3: X3.4 25,25.75 C23.1 23.97,26.45 L7.1
/Zynq B500-B501/PS_CLK_33MHz: length 2.6
  L8 (Sig) w0.12: X3.3 28,27.55 28.6,26.95 R2.1
/Zynq B500-B501/PS_CLK_33MHz_T: length 3.8
  L1 (Sig) w0.12: U2.F7 v1(28.9,22.6)
  L8 (Sig) w0.12: R2.2 28.75,25.34 28.75,24.95 28.5,24.7 28.5,23 v1(28.9,22.6)
/Zynq B500-B501/PS_MIO_VREF_501: length 18.7
  L1 (Sig) w0.12: U2.F8 v1(29.7,22.6)
  L6 (Sig+Pwr) w0.12: v1(29.7,22.6) 29.7,21.81 30.12,21.39 30.12,20.72 29.74,20.34 29.74,14.06 30.3,13.5 31.9,13.5 32.7,14.3 34,14.3 v1(34.5,13.8)
  L8 (Sig) w0.12: v1(34.5,13.8) 34.11,13.41 32.27,13.41 31.81,13.87 R92.2 ; C94.1 29.7,22.22 v1(29.7,22.6)
/Zynq B500-B501/STM32_SCL_T: length 5.4
  L1 (Sig) w0.12: U2.B6 28.1,25.8 28.1,26.4 25.93,28.58 25.09,28.58 R96.2
/Zynq Config/LED_A: length 1.9
  L1 (Sig) w0.3: D2.2 48.09,7.6 R91.2
/Zynq Config/VT_OUTPUT: length 5.4
  L8 (Sig) w0.2: Q3.1 42.46,6.46 44.5,8.5 v4(46.5,8.5)
/Zynq_B502_DDR/DDR_A0: length 8.3
  L1 (Sig) w0.12: U2.M4 26.5,17.8 24.13,17.8 23.64,17.31 23.64,16.74 23.5,16.6 22.94,16.6 22.8,16.74 22.8,17.02 23.61,17.83 23.61,18.09 23.52,18.18 22.93,18.18 R53.1
/Zynq_B502_DDR/DDR_A0_T: length 29.1
  L1 (Sig) w0.12: R53.2 21.03,18.04 20.38,18.04 19.69,18.73 19.44,18.73 arc(19.37,18.7) 19.34,18.63 19.34,17.9 arc(19.31,17.83) 19.24,17.8 19.04,17.8 arc(18.97,17.83) 18.94,17.9 18.94,18.63 arc(18.91,18.7) 18.84,18.73 18.64,18.73 arc(18.57,18.7) 18.54,18.63 18.54,17.9 arc(18.51,17.83) 18.44,17.8 18.24,17.8 arc(18.17,17.83) 18.14,17.9 18.14,18.63 arc(18.11,18.7) 18.04,18.73 16.94,18.73 arc(16.86,18.7) 16.83,18.62 16.83,17.84 arc(16.79,17.76) 16.72,17.73 16.49,17.73 arc(16.41,17.76) 16.38,17.84 16.38,18.62 arc(16.34,18.7) 16.27,18.73 16.04,18.73 arc(15.96,18.7) 15.93,18.62 15.93,17.84 arc(15.89,17.76) 15.81,17.73 15.59,17.73 arc(15.51,17.76) 15.48,17.84 15.48,18.62 arc(15.44,18.7) 15.36,18.73 15.14,18.73 arc(15.06,18.7) 15.03,18.62 15.03,17.84 arc(14.99,17.76) 14.92,17.73 14.69,17.73 arc(14.61,17.76) 14.58,17.84 14.58,18.62 arc(14.54,18.7) 14.47,18.73 14.22,18.73 13.35,17.86 12.54,17.86 12.34,17.66 12.34,17.4 12.49,17.25 15.5,17.25 15.62,17.13 15.62,16.8 15.48,16.66 12.6,16.66 12.5,16.56 v1(12.5,16.36)